# KiCad board SNES_SA1_1-0.kicad_pcb (continued)
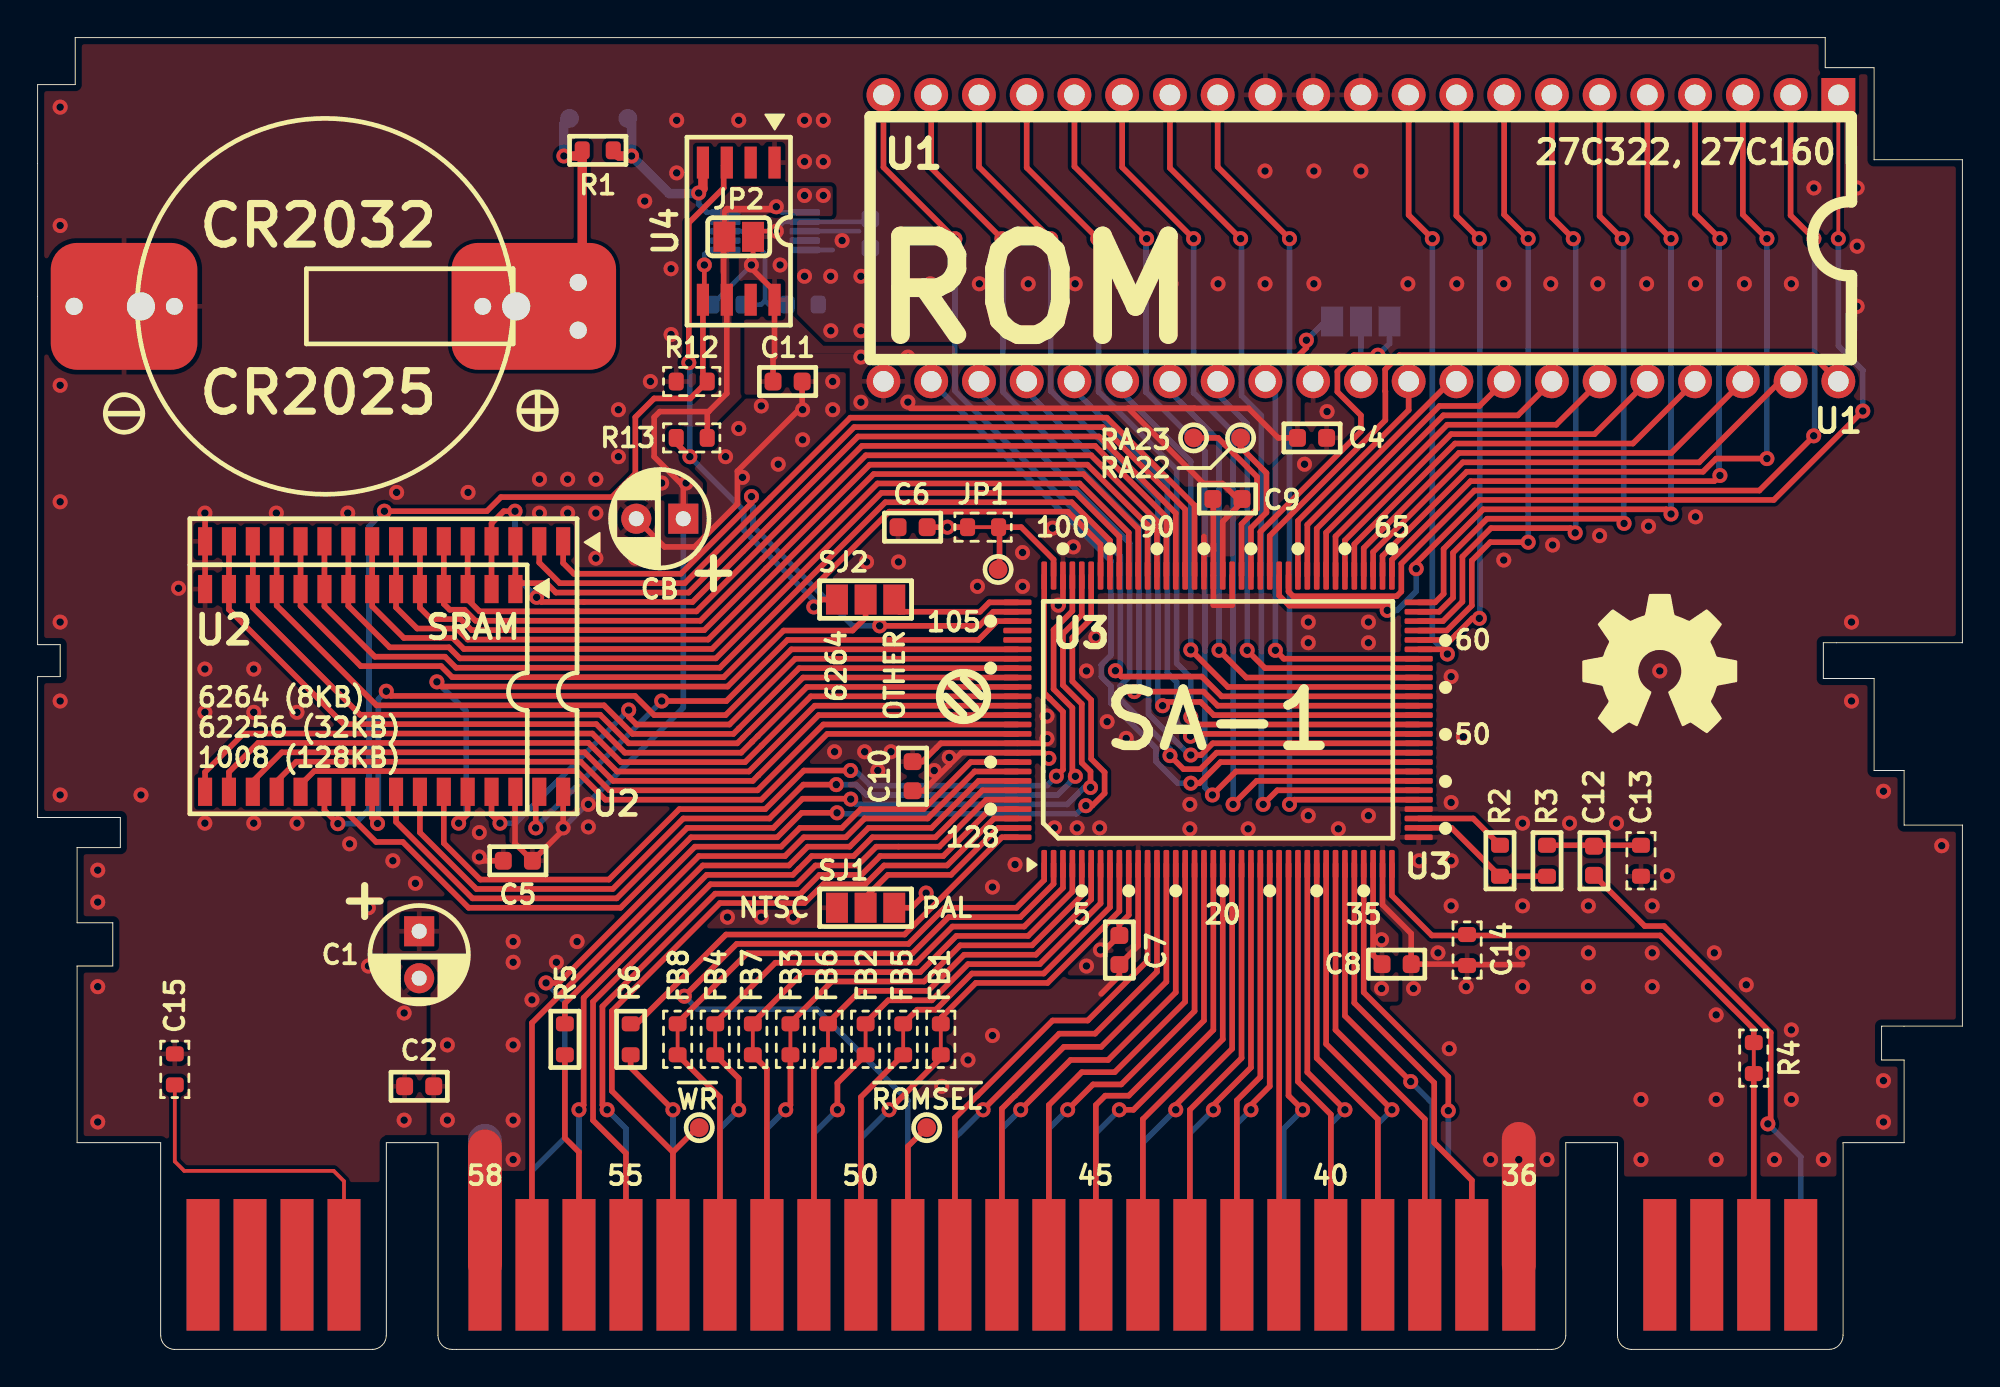
[diagram p0: board, top side]
## Routing (per net, layer and track width the routed paths; a pad name or vN(x,y) marks a point on that pad's centre or on a via; arc(x,y) is an arc through that point)
+5V: length 95.1
  Top w0.25: v1(39.3,59.5) 38.06,59.5 38.06,57.79 v1(37.98,57.7) ; v1(56.55,21.25) 56.78,21.25
  Top w0.3: 61.55,50.08 58.02,50.08 62.02,46.08 63.02,46.08 63.85,45.25 C9.1 64.08,45.08 63.05,44.05 U3.83 ; 61.55,50.08 64.42,50.08 66,48.5 C4.1 ; 61.55,50.08 46.43,50.08 ; U3.36 71.05,20.97 C8.1 ; v1(37.98,57.7) 37.98,57.53 39.2,56.3 U4.8 39.2,52.81 39.12,52.72 C11.1 ; C6.1 49.42,43.75 ; v1(48.5,31.5) 48.5,31.1 ; 48.5,31.1 49.15,31.75 U3.119 53.5,31.75 v1(53.8,31.45) ; 48.5,31.1 47.12,29.72 C10.1 ; U3.10 58.05,23.11 57.55,22.61 C7.1 56.78,21.25 ; v1(47.27,24.28) 46.49,23.5 SJ1.3 ; 66.8,52.6 67.5,53.3 v1(67.5,53.7)
  Top w1.8: P1.27 23.8,10.8
  Bottom w0.25: v1(39.3,59.5) 39.3,59.6 39.7,60 U5.2 44.12,60 44.3,60.17 ; R9.1 37.98,57.69 v1(37.98,57.7)
  Bottom w0.3: v1(67.5,53.7) 68.5,54.7 SJ3.1
  Bottom w1.8: P1.27 23.8,11.1
  vias: v1(21.8,16.2) v1(21.8,12.2) v1(25.3,21.7) v1(25.3,20.6) v1(25.3,16.2) v1(25.3,12.2) v1(25.3,10.1) v1(26.3,18.6) v1(27.6,20.6) v1(28.7,21.7) v1(39.5,57.7) v1(43.8,52.8) v1(43.8,50.4) v1(46.3,52.8) v1(46.3,50.41) v1(47.7,30.8) v1(48.4,43.75) v1(55.8,20.4) v1(71.5,21.8) v1(71.5,19.2)
GND: length 77.8
  Top w0.3: U3.11 58.55,21.47 C7.2 57.55,19.89 56.58,18.92 ; C5.2 23.7,26 v1(23.5,26.2) ; U3.37 71.55,23.65 73.08,22.12 C8.2 76.02,20.5 76.05,20.47 78.98,20.47 79,20.5 ; C10.2 47.08,31.28 48.05,32.25 U3.118 53.45,32.25 v1(53.7,32.5) ; U3.100 54.55,39.6 v1(54.3,39.6) ; CB.2 33.35,42.7 34.95,42.7 37.23,44.98 37.23,46.73 40.67,50.17 C11.2 ; v1(8.9,44.5) 8.91,44.49 U2.16 U2.16 ; U3.85 62.05,43.25 ; U3.82 63.55,39.6 62.55,39.6 U3.84 62.55,42.5 ; 62.55,42.5 62.55,42.85 ; 62.55,42.5 62.55,45.25
  Top w1.8: P1.5 78.8,11.2
  Bottom w0.25: U5.3 43.7,59.5 ; 42.3,58.5 U5.5
  Bottom w1.8: P1.5 78.8,11.2
  vias: v1(1.2,66.1) v1(1.2,59.8) v1(1.2,51.3) v1(1.2,45.1) v1(1.2,38.7) v1(1.2,34.5) v1(1.2,29.5) v1(3.2,25.5) v1(3.2,23.8) v1(3.2,19.3) v1(3.2,12.1) v1(5.5,29.5) v1(7.5,40.5) v1(8.9,36.2) v1(8.9,33.9) v1(8.9,28) v1(11.5,36.2) v1(11.5,33.9) v1(11.5,28) v1(12.7,44.5) v1(13.8,33.9) v1(13.8,28) v1(16.5,44.5) v1(16.6,26.9) v1(17.6,23.5) v1(17.6,20.4) v1(18.9,26) v1(19.1,45.6) v1(19.5,17.9) v1(19.5,12.2) v1(20.1,24.8) v1(22.9,45.6) v1(23.5,27.5) v1(26.7,46.3) v1(26.7,44.5) v1(28.2,46.3) v1(28.2,44.5) v1(29.7,46.3) v1(29.7,44.5) v1(29.7,42.1) v1(30.9,50) v1(30.9,47.5) v1(31.8,42.1) v1(32.3,61.1) v1(32.6,51.5) v1(33.7,57.5) v1(33.7,54) v1(34,65.4) v1(34,62.6) v1(36.6,47.5) v1(36.7,23) v1(37.3,65.4) v1(37.3,49) v1(37.5,46.4) v1(38.5,50.2) v1(38.5,23) v1(39.4,47.1) v1(40.2,23) v1(40.7,50) v1(40.7,48.4) v1(40.8,65.4) v1(40.8,63.2) v1(40.8,57.1) v1(41.8,65.4) v1(41.8,63.2) v1(42.19,57.1) v1(42.2,54.2) v1(42.3,51.5) v1(42.3,50) v1(42.4,31.8) v1(42.8,59) v1(43.8,57.1) v1(43.8,54.2) v1(44,31.8) v1(44.1,41.9) v1(44.7,30.8) v1(45.4,31.8) v1(45.8,41.9) v1(47.5,56.7) v1(48.1,14) v1(49.5,15.4) v1(50,40.6) v1(50.1,56.7) v1(50.8,24.6) v1(50.8,16.7) v1(52,25.8) v1(52.4,42.4) v1(52.4,40.6) v1(52.7,56.7) v1(53.7,33.7) v1(54,43.7) v1(54.1,27.75) v1(55.1,42.7) v1(55.2,56.7) v1(55.3,27.75) v1(55.8,36.1) v1(56.3,37.9) v1(56.5,27.75) v1(56.9,33.4) v1(57.7,56.7) v1(57.91,32.51) v1(60.3,56.7) v1(61.3,29) v1(61.3,27.7) v1(62.8,56.7) v1(64.4,27.7) v1(65.3,62.7) v1(65.3,56.7) v1(67.4,47.1) v1(67.6,38.7) v1(67.6,37.6) v1(67.6,28.4) v1(67.9,62.7) v1(67.9,56.7) v1(68.6,49.9) v1(69.2,27.7) v1(70.4,62.7) v1(70.8,38.7) v1(70.8,37.6) v1(70.8,28.4) v1(72.9,56.7) v1(73.2,19.2) v1(73.5,26) v1(74.5,21.1) v1(75.1,16) v1(75.2,35.8) v1(75.2,29.1) v1(75.2,26) v1(75.2,23.6) v1(75.5,56.7) v1(75.85,32.6) v1(76,19.3) v1(77.3,10.1) v1(78,56.7) v1(78,42) v1(78.8,10.1) v1(79,28) v1(79,23.6) v1(79,21.1) v1(79,19.3) v1(80.3,10.1) v1(80.5,56.7) v1(80.6,42.8) v1(81.5,28) v1(82.5,23.6) v1(82.5,21.1) v1(82.5,19.3) v1(83,56.7) v1(83.1,43.3) v1(84,28) v1(85.3,13.3) v1(85.3,10.1) v1(85.6,56.7) v1(85.7,43.8) v1(85.9,23.6) v1(85.9,21.1) v1(85.9,19.3) v1(86.3,36.1) v1(86.7,25.2) v1(88.2,56.7) v1(88.2,44.3) v1(89.2,21.1) v1(89.3,17.8) v1(89.3,13.3) v1(89.3,10.1) v1(90.8,56.7) v1(90.9,19.4) v1(92.4,10.1) v1(93.3,56.7) v1(93.3,17) v1(93.3,13.3) v1(94.5,61.8) v1(95,10.1) v1(96.5,38.7) v1(96.5,34.5) v1(96.8,61.8) v1(96.8,58.7) v1(96.8,55.5) v1(98.2,29.7) v1(98.2,14.3) v1(98.2,12.1) v1(101.3,26.8)
+BATT: length 11.6
  Top w0.25: 35.4,63.14 U4.4
  Top w0.5: R1.1 30.92,63.5 v1(31.6,63.5) ; U4.4 35.39,61.76 v1(35.17,61.53)
  Bottom w0.25: U5.10 35.6,60.5
  Bottom w0.3: 35.6,60.5 35.17,60.93 v1(35.17,61.53)
  Bottom w0.5: 31.3,65.5 31.6,65.2 v1(31.6,63.5) 33.6,61.5 35.14,61.5 v1(35.17,61.53)
+VSW: length 53.9
  Top w0.25: 36.63,60.63 36.54,60.54 36.54,59.5 ; v1(39.3,60.8) 39.13,60.63
  Top w0.3: 35.7,49.9 33.1,49.9 32.8,49.6 32.8,47.5 34.35,45.95 34.35,44.35 34.5,44.2 34.5,44 ; 35.7,49.9 35.62,49.83 R13.2 ; 35.7,49.9 36.67,50.86 U4.6 36.5,56.02 36.5,59.46 36.54,59.5 ; U2.32 27.96,27.64 C5.1 25.4,26.92 25.4,29.65 U2.30
  Top w0.35: 39.13,60.63 39.08,60.68 36.68,60.68 36.63,60.63
  Bottom w0.25: v1(39.3,60.8) 39.6,60.5 U5.1
  Bottom w0.3: CB.1 34.35,34.14 v1(27.96,27.75)
  vias: v1(29.3,29) v1(29.3,27.8) v1(33.2,46.1) v1(34.5,46.1) v1(40.8,61.4) v1(41.8,61.4)
/A_{0}: length 26.9
  Top w0.3: v1(50.3,12.75) 54.35,16.8 56.26,16.8 59.55,20.09 U3.13
  Bottom w0.3: v1(50.3,12.75) 48.8,11.25 P1.17
/A_{1}: length 26.3
  Top w0.3: U3.15 60.55,19 56.95,15.4 54.95,15.4 v1(52.3,12.75)
  Bottom w0.3: v1(52.3,12.75) 51.3,11.75 P1.16
/A_{2}: length 25.4
  Top w0.3: v1(54.8,12.75) 56.15,14.1 57.65,14.1 61.55,18 U3.17
  Bottom w0.3: v1(54.8,12.75) 53.8,11.75 P1.15
/A_{3}: length 24.4
  Top w0.3: v1(57.55,12.75) 58.3,12.75 62.55,17 U3.19
  Bottom w0.3: v1(57.55,12.75) 56.3,11.5 P1.14
/A_{4}: length 23.3
  Top w0.3: v1(60.55,12.75) 60.55,13 63.55,16 U3.21
  Bottom w0.3: P1.13 58.8,11 v1(60.55,12.75)
/A_{5}: length 22.7
  Top w0.3: U3.23 64.55,15 62.55,13 v1(62.55,12.75)
  Bottom w0.3: P1.12 61.3,11.5 v1(62.55,12.75)
/A_{6}: length 22
  Top w0.3: U3.25 65.55,14 64.55,13 v1(64.55,12.75)
  Bottom w0.3: v1(64.55,12.75) 63.8,12 P1.11
/A_{7}: length 22
  Top w0.3: v1(67.3,12.75) 66.55,13.5 U3.27
  Bottom w0.3: P1.10 66.3,11.75 v1(67.3,12.75)
/A_{8}: length 22.5
  Top w0.3: v1(69.55,12.75) 67.55,14.75 U3.29
  Bottom w0.3: P1.9 68.8,12 v1(69.55,12.75)
/A_{9}: length 23.1
  Top w0.3: U3.31 68.55,16.25 v1(72.05,12.75)
  Bottom w0.3: v1(72.05,12.75) 71.3,12 P1.8
/A_{10}: length 23.4
  Top w0.3: v1(73.05,14.25) 69.55,17.75 U3.33
  Bottom w0.3: v1(73.05,14.25) 74.2,13.1 74.2,4.9 P1.7
/A_{11}: length 23.7
  Top w0.3: U3.35 70.55,19 75.05,14.5 v1(75.05,12.7)
  Bottom w0.3: P1.6 76.3,9 75.05,10.25 v1(75.05,12.7)
/A_{12}: length 23.9
  Top w0.3: U3.34 70.05,18.44 74.3,14.19 74.3,11 76.3,9 P1.37
/A_{13}: length 23.3
  Top w0.3: P1.38 73.8,12.25 69.05,17 U3.32
/A_{14}: length 22.7
  Top w0.3: U3.30 68.05,15.5 71.3,12.25 P1.39
/A_{15}: length 22
  Top w0.3: P1.40 68.8,12.5 67.05,14.25 U3.28
/AA_{0}: length 53.6
  Top w0.3: U3.96 56.55,42.83 54.81,44.58 45.31,44.58 36.5,35.77 22.05,35.77 21.47,36.36 17.19,36.36 13.99,39.56 U2.12 U2.12
/AA_{1}: length 53
  Top w0.3: U2.11 U2.11 15.26,39.54 17.94,36.86 21.67,36.86 22.26,36.27 36.29,36.27 45.1,45.08 55.02,45.08 57.05,43.04 U3.95
/AA_{2}: length 52.3
  Top w0.3: U3.94 57.55,43.25 55.23,45.58 44.89,45.58 36.09,36.77 22.47,36.77 21.88,37.36 18.73,37.36 16.53,39.56 U2.10 U2.10
/AA_{3}: length 51.7
  Top w0.3: U3.93 58.05,43.46 55.43,46.08 44.68,46.08 35.88,37.27 22.68,37.27 22.09,37.86 19.48,37.86 17.8,39.54 U2.9 U2.9
/AA_{4}: length 51
  Top w0.3: U2.8 U2.8 19.07,39.48 20.19,38.36 22.3,38.36 22.88,37.77 35.67,37.77 44.48,46.58 55.64,46.58 58.55,43.66 U3.92
/AA_{5}: length 50.4
  Top w0.3: U3.91 59.05,43.87 55.85,47.08 44.27,47.08 35.47,38.27 23.09,38.27 22.5,38.86 20.94,38.86 20.34,39.46 U2.7 U2.7
/AA_{6}: length 49.6
  Top w0.3: U3.90 59.55,44.08 56.05,47.58 44.06,47.58 35.26,38.77 23.3,38.77 22.71,39.36 21.92,39.36 21.61,39.67 U2.6 U2.6
/AA_{7}: length 48.9
  Top w0.3: U3.89 60.05,44.29 56.26,48.08 43.86,48.08 35.05,39.27 23.51,39.27 22.88,39.9 U2.5 U2.5
/AA_{8}: length 50.3
  Top w0.3: U3.102 53.55,34.93 54.55,33.93 54.55,30.85 v1(54.2,30.5) ; v1(43.25,30.8) 40.77,30.8 38.71,28.75 34.14,28.75 30.39,25 23.55,25 21.61,26.94 U2.27
  Bottom w0.3: v1(54.2,30.5) 53.7,30 44.31,30 43.5,30.8 v1(43.25,30.8)
/AA_{9}: length 52.8
  Top w0.3: v1(42.49,30.05) 40.74,30.05 38.94,28.25 34.35,28.25 30.6,24.5 23.34,24.5 20.34,27.5 U2.26 ; U3.99 55.05,39.29 54.05,38.29 54.05,35.14 55.05,34.14 55.05,30.65 v1(55.21,30.49)
  Bottom w0.3: v1(55.21,30.49) 54.95,30.23 54.95,30.19 54.26,29.5 44.1,29.5 43.55,30.05 v1(42.49,30.05)
/AA_{10}: length 58.8
  Top w0.3: v1(55.77,28.93) 56.11,28.93 56.76,29.59 56.76,30.71 56.05,31.42 56.05,34.55 55.05,35.55 55.05,37.88 56.05,38.88 U3.97 ; U2.23 16.53,28.48 18.01,27 19.43,27 22.93,23.5 31.01,23.5 34.76,27.25 39.35,27.25 40.65,28.55 v1(42.53,28.55)
  Bottom w0.3: v1(55.77,28.93) 55.71,28.93 55.27,28.5 42.58,28.5 v1(42.53,28.55)
/AA_{11}: length 55.2
  Top w0.3: v1(56.01,29.9) 56.01,30.75 55.55,31.22 55.55,34.34 54.55,35.34 54.55,38.08 55.55,39.08 U3.98 ; U2.25 19.07,28.07 23.14,24 30.81,24 34.56,27.75 39.14,27.75 40.69,29.3 43.24,29.3 v1(43.26,29.28)
  Bottom w0.3: v1(43.26,29.28) 43.54,29 54.78,29 55.68,29.9 v1(56.01,29.9)
/AA_{12}: length 52.8
  Top w0.3: v1(26.55,40.02) 26.8,39.77 34.84,39.77 43.65,48.58 56.47,48.58 60.55,44.49 U3.88 ; U2.4 U2.4 24.15,43.95 24.8,44.6 v1(25.4,44.6)
  Bottom w0.3: v1(26.55,40.02) 25.4,41.17 v1(25.4,44.6)
/AA_{13}: length 6.9
  Top w0.3: 45.57,39.5 45.82,39.25 50.14,39.25 50.64,39.75 U3.103
/AA_{14}: length 47.5
  Top w0.3: U3.87 61.05,44.7 56.67,49.08 43.44,49.08 34.64,40.27 27.57,40.27 27.07,40.77 25.73,40.77 U2.3 U2.3
/AA_{15}: length 32.2
  Top w0.3: U2.31 26.5,29.48 v1(26.5,27.75) ; v1(33.21,34.5) 36.64,34.5 39.89,37.75 50.05,37.75 51.05,38.75 U3.105
  Bottom w0.3: v1(33.21,34.5) 26.5,27.79 v1(26.5,27.75)
/AA_{16}: length 45.8
  Top w0.3: U2.2 26.69,41.86 27.78,40.77 34.43,40.77 43.23,49.58 56.88,49.58 61.55,44.91 U3.86
/AA_{17}: length 31.5
  Top w0.3: v1(44.8,38.5) 50.09,38.5 50.84,39.25 U3.104 ; v1(37.98,45.38) 37.98,45.03 34.22,41.27 28.53,41.27 27.96,41.84 U2.1
  Bottom w0.3: v1(44.8,38.5) 43.36,38.5 38.06,43.8 38.06,44.85 37.98,44.93 v1(37.98,45.38)
/AD_{0}: length 47.1
  Top w0.3: U2.13 U2.13 12.72,39.58 18.03,34.27 30.13,34.27 31.65,32.75 37.02,32.75 40.52,36.25 U3.110
/AD_{1}: length 48.6
  Top w0.3: U2.14 U2.14 11.45,39.47 17.16,33.77 29.93,33.77 31.45,32.25 37.22,32.25 40.72,35.75 U3.111
/AD_{2}: length 50.2
  Top w0.3: U3.112 40.93,35.25 37.43,31.75 31.24,31.75 29.72,33.27 16.28,33.27 10.18,39.37 U2.15 U2.15
/AD_{3}: length 47.2
  Top w0.3: U3.113 41.14,34.75 37.64,31.25 31.03,31.25 29.51,32.77 10.96,32.77 8.91,30.72 U2.17
/AD_{4}: length 45.7
  Top w0.3: U2.18 10.18,30.72 11.73,32.27 29.31,32.27 30.83,30.75 37.84,30.75 41.34,34.25 U3.114
/AD_{5}: length 43.9
  Top w0.3: U3.115 41.55,33.75 38.05,30.25 30.62,30.25 29.1,31.77 12.99,31.77 11.45,30.22 U2.19
/AD_{6}: length 42.5
  Top w0.3: U2.20 12.72,30.22 13.77,31.27 28.89,31.27 30.41,29.75 38.3,29.75 41.8,33.25 U3.116
/AD_{7}: length 40.9
  Top w0.3: U3.117 42.01,32.75 38.51,29.25 30.2,29.25 28.69,30.77 14.72,30.77 13.99,30.05 U2.21
/BA_{0}: length 21.4
  Top w0.3: P1.41 66.05,4.75 U3.26
/BA_{1}: length 21.8
  Top w0.3: U3.24 65.05,14.5 63.8,13.25 P1.42
/BA_{2}: length 22.5
  Top w0.3: P1.43 61.3,12.75 64.05,15.5 U3.22
/BA_{3}: length 23.1
  Top w0.3: P1.44 58.8,12.25 63.05,16.5 U3.20
/BA_{4}: length 24.4
  Top w0.3: P1.45 56.3,13 56.8,13.5 58.05,13.5 62.05,17.5 U3.18
/BA_{5}: length 25.4
  Top w0.3: P1.46 53.8,13 55.55,14.75 57.3,14.75 61.05,18.5 U3.16
/BA_{6}: length 26.1
  Top w0.3: P1.47 51.3,12.81 51.99,13.5 52,13.5 54.6,16.1 56.59,16.1 60.05,19.56 U3.14
/BA_{7}: length 26.7
  Top w0.3: U3.12 59.05,20.68 55.87,17.5 54,17.5 50,13.5 49.99,13.5 48.8,12.31 P1.48
/CIC0: length 40.7
  Top w0.3: v1(30.3,12.75) 30.05,13 30.05,18.25 36.05,24.25 40.59,24.25 41.59,25.25 43.83,25.25 44.83,26.25 48.18,26.25 50.68,28.75 U3.125
  Bottom w0.3: P1.24 31.3,11.75 v1(30.3,12.75)
/CIC1: length 41.8
  Top w0.3: U3.124 50.47,29.25 47.97,26.75 44.62,26.75 43.62,25.75 41.39,25.75 40.39,24.75 35.8,24.75 29.55,18.5 29.55,12.19 31.3,10.44 P1.55
/CIC2: length 42.2
  Top w0.3: 34.42,24.08 35.59,25.25 40.18,25.25 41.18,26.25 43.41,26.25 44.41,27.25 47.76,27.25 50.26,29.75 U3.123 ; 34.57,24.23 29.05,18.71 29.05,13 v1(28.8,12.75)
  Bottom w0.3: v1(28.8,12.75) P1.25
/CIC3: length 11.5
  Top w0.3: R5.2 28.05,11.25 28.8,10.5 P1.56
/D_{0}: length 14.6
  Top w0.3: 48.1,17.38 48.1,17.69 49.91,19.5 53.73,19.5 57.55,23.32 U3.9
/D_{1}: length 17.2
  Top w0.3: U3.7 56.55,23.73 53.32,20.5 49.5,20.5 47.57,18.57 45.25,18.57 44.05,17.38
/D_{2}: length 20
  Top w0.3: 40.05,17.38 42.25,19.57 47.16,19.57 49.09,21.5 52.9,21.5 55.55,24.15 U3.5
/D_{3}: length 22.7
  Top w0.3: 36.05,17.38 39.25,20.58 46.75,20.58 48.67,22.5 52.49,22.5 54.55,24.56 U3.3
/D_{4}: length 15.8
  Top w0.3: U3.8 57.05,23.53 53.52,20 49.71,20 47.78,18.07 46.8,18.07 46.1,17.38
/D_{5}: length 18.6
  Top w0.3: U3.6 56.05,23.94 53.11,21 49.29,21 47.37,19.07 43.75,19.07 42.05,17.38
/D_{6}: length 21.4
  Top w0.3: U3.4 55.05,24.35 52.7,22 48.88,22 46.95,20.07 40.75,20.07 38.05,17.38
/D_{7}: length 24.1
  Top w0.3: 34.05,17.38 37.75,21.08 46.54,21.08 48.46,23 52.28,23 54.05,24.77 U3.2
/MCLK: length 26.1
  Top w0.3: v1(92.05,12) 92.2,12.15 92.2,16.85 86.52,22.53 85.5,22.53 C12.2 82.75,25.17
  Bottom w0.3: P1.1 93.8,10.25 v1(92.05,12)
/RA_{1}: length 32.2
  Top w0.3: U3.59 74.75,37.25 v1(75,37) ; v1(74.2,59.1) 72.94,60.36 U1.10
  Bottom w0.3: v1(75,37) 74.2,37.8 v1(74.2,59.1)
/RA_{2}: length 32.1
  Top w0.3: U1.9 75.48,60.32 v1(76.7,59.1) ; U3.60 75.18,37.75 76.33,38.9 v1(76.7,38.9)
  Bottom w0.3: v1(76.7,59.1) 76.73,59.07 76.73,38.93 v1(76.7,38.9)
/RA_{3}: length 33.5
  Top w0.3: v1(79.3,42.95) 77.28,42.95 76.3,41.97 76.3,39.58 74.97,38.25 U3.61 ; U1.8 78.02,60.38 v1(79.3,59.1)
  Bottom w0.3: v1(79.3,42.95) v1(79.3,59.1)
/RA_{4}: length 35.7
  Top w0.3: v1(81.8,43.45) 81.55,43.7 77.32,43.7 75.8,42.18 75.8,39.79 74.76,38.75 U3.62 ; v1(81.7,59.1) 80.56,60.24 U1.7
  Bottom w0.3: v1(81.7,59.1) 81.83,58.97 81.83,43.48 v1(81.8,43.45)
/RA_{5}: length 38
  Top w0.3: v1(84.4,43.95) 84.4,44.2 77.11,44.2 75.3,42.39 75.3,39.99 74.56,39.25 U3.63 ; v1(84.3,59.1) 83.1,60.3 U1.6
  Bottom w0.3: v1(84.4,43.95) 84.38,43.97 84.38,59.02 v1(84.3,59.1)
/RA_{6}: length 39.8
  Top w0.3: U3.64 74.35,39.75 74.8,40.2 74.8,42.59 76.91,44.7 86.65,44.7 v1(86.9,44.45) ; v1(86.9,59.1) 85.64,60.36 U1.5
  Bottom w0.3: v1(86.9,59.1) v1(86.9,44.45)
/RA_{7}: length 41
  Top w0.3: U1.4 88.18,60.42 v1(89.5,59.1) ; v1(89.5,46.5) 89.2,46.2 76.24,46.2 72.05,42.01 U3.65
  Bottom w0.3: v1(89.5,59.1) 89.45,59.05 89.45,46.55 v1(89.5,46.5)
/RA_{8}: length 43.5
  Top w0.3: U1.3 90.72,60.38 v1(92,59.1) ; v1(92,47.4) 89.3,47.4 88.6,46.7 76.03,46.7 71.55,42.22 U3.66
  Bottom w0.3: v1(92,47.4) v1(92,59.1)
/RA_{9}: length 27.2
  Top w0.3: U1.41 92.7,51.51 88.39,47.2 75.82,47.2 71.05,42.43 U3.67
/RA_{10}: length 25.3
  Top w0.3: U3.68 70.55,42.64 75.61,47.7 86.91,47.7 U1.40
/RA_{11}: length 23.4
  Top w0.3: U3.69 70.05,42.84 75.41,48.2 84.87,48.2 U1.39
/RA_{12}: length 21.5
  Top w0.3: U3.70 69.55,43.05 75.2,48.7 82.83,48.7 U1.38
/RA_{13}: length 19.6
  Top w0.3: U3.71 69.05,43.26 74.99,49.2 80.79,49.2 U1.37
/RA_{14}: length 17.6
  Top w0.3: U3.72 68.55,43.46 74.79,49.7 78.75,49.7 U1.36
/RA_{15}: length 15.7
  Top w0.3: U3.73 68.05,43.67 74.58,50.2 76.71,50.2 U1.35
/RA_{16}: length 13.8
  Top w0.3: U3.74 67.55,43.88 75.18,51.51 U1.34
/RA_{17}: length 12.8
  Top w0.3: U3.75 67.05,44.09 72.94,49.98 U1.33
/RA_{18}: length 52
  Top w0.3: v1(94.49,48.61) 94.49,48.59 91.6,45.7 76.44,45.7 72.55,41.81 72.55,40.32 72.3,40.08 66.8,40.08 66.55,40.32 U3.76 ; v1(94.5,59.1) 93.26,60.34 U1.2
  Bottom w0.3: v1(94.49,48.61) 94.54,48.66 94.54,59.06 v1(94.5,59.1)
/RA_{19}: length 55.1
  Top w0.2: U1.1 v1(95.8,59.1)
  Top w0.3: U3.77 66.05,40.11 66.59,39.58 71.55,39.58 v1(71.8,39.33) ; v1(73.34,41.54) 73.34,41.84 76.7,45.2 92.37,45.2 v1(97.1,49.93)
  Bottom w0.3: v1(97.1,49.93) 97.1,52.1 95.8,53.4 v1(95.8,59.1) ; v1(73.34,41.54) 73.34,40.34 72.33,39.33 v1(71.8,39.33)
/RA_{20}: length 38.5
  Top w0.3: U3.78 65.55,43.29 71.7,49.44 71.7,50.98 71.69,50.99 71.69,52.14 72.45,52.9 94.41,52.9 U1.42
/RA_{21}: length 18.2
  Top w0.3: v1(71.3,52.9) 70.02,52.9 69.15,52.03 69.15,50.95 70.4,49.7 70.4,48.85 65.05,43.5 U3.79
  Bottom w0.3: v1(71.3,52.9) 71.92,53.52 71.92,54.6 71.82,54.7
/RA_{22}: length 8.2
  Top w0.3: U3.80 64.55,43.71 65.37,44.53 65.37,46.63 64,48.01 TP1.1
/RA_{23}: length 9.8
  Top w0.3: U3.81 64.05,43.91 64.87,44.74 64.87,46.42 63.65,47.65 63.65,47.65 63.15,48.15 63.15,48.15 62.8,48.5 TP2.1
/RD_{0}: length 22.3
  Top w0.3: v1(65.85,37.2) 66.3,36.75 U3.58
  Bottom w0.3: v1(65.85,37.2) 65.85,50.98 U1.30
/RD_{1}: length 26.6
  Top w0.3: v1(62.85,37.2) 64.3,35.75 U3.56
  Bottom w0.3: v1(62.85,37.2) 62.85,48.35 60.24,50.96 U1.28
/RD_{2}: length 33.6
  Top w0.3: U3.50 61.46,32.75 v1(61.33,32.63)
  Bottom w0.3: U1.26 55.16,51.04 60.1,46.1 60.1,36 60.6,35.5 60.6,33.34 61.31,32.63 v1(61.33,32.63)
/RD_{3}: length 38.4
  Top w0.3: v1(60.24,31.59) 60.96,30.88 61.85,30.88 62.72,31.75 U3.48
  Bottom w0.3: U1.24 50.08,50.92 58.1,42.9 58.1,35.81 57.6,35.31 57.6,34.59 60.24,31.95 v1(60.24,31.59)
/RD_{4}: length 52.7
  Top w0.3: U1.21 45,62.9 v1(48.8,59.1) ; v1(57.34,36.11) 57.65,35.8 61.94,35.8 62.99,34.75 U3.54
  Bottom w0.3: v1(57.34,36.11) 57.6,36.37 57.6,42.2 48.8,51 v1(48.8,59.1)
/RD_{5}: length 50.5
  Top w0.3: U1.19 50.08,62.92 v1(53.9,59.1) ; U3.52 62.57,33.75 61.87,34.45 60.05,34.45 v1(59.85,34.25)
  Bottom w0.3: v1(59.85,34.25) 59.6,34.5 59.6,45.3 53.9,51 v1(53.9,59.1)
/RD_{6}: length 51.8
  Top w0.3: v1(62.5,29.5) 63.75,30.75 U3.46 ; v1(59,59.1) 55.16,62.94 U1.17
  Bottom w0.3: v1(59,59.1) 58.96,59.06 58.96,50.94 62.1,47.8 62.1,29.9 v1(62.5,29.5)
/RD_{7}: length 48.4
  Top w0.3: U3.44 65.95,29.75 v1(65.2,29) ; U1.15 60.24,62.86 v1(64,59.1)
  Bottom w0.3: v1(64,59.1) 64.05,59.05 64.05,50.75 65.1,49.7 65.1,29.1 v1(65.2,29)
/RD_{8}: length 24.5
  Top w0.3: U3.57 65.3,36.25 v1(64.35,37.2)
  Bottom w0.3: v1(64.35,37.2) 64.35,49.25 62.78,50.82 U1.29
/RD_{9}: length 28.7
  Top w0.3: U3.55 63.32,35.25 v1(61.35,37.22)
  Bottom w0.3: U1.27 57.7,50.9 61.35,47.25 v1(61.35,37.22)
/RD_{10}: length 35.9
  Top w0.3: U3.49 62.52,32.25 61.89,31.63 v1(61.35,31.63)
  Bottom w0.3: v1(61.35,31.63) 61.27,31.63 59.1,33.8 59.1,44.5 52.62,50.98 U1.25
/RD_{11}: length 40.5
  Top w0.3: v1(61.35,30.13) 61.81,30.13 62.93,31.25 U3.47
  Bottom w0.3: U1.23 57.1,41.95 57.1,36.93 56.59,36.42 56.59,35.8 57.1,35.29 57.1,34.39 59.49,31.99 59.49,31.28 60.65,30.13 v1(61.35,30.13)
/RD_{12}: length 51.9
  Top w0.3: U1.20 47.54,62.86 v1(51.3,59.1) ; v1(58.35,35) 62.03,35 62.78,34.25 U3.53
  Bottom w0.3: v1(58.35,35) 58.6,35.25 58.6,43.7 51.36,50.94 51.36,59.04 v1(51.3,59.1)
/RD_{13}: length 49
  Top w0.3: v1(56.4,59.1) 52.62,62.88 U1.18 ; v1(61.35,33.65) 61.75,33.25 U3.51
  Bottom w0.3: v1(61.35,33.65) 61.35,35.75 60.6,36.5 60.6,46.8 56.44,50.96 56.44,59.06 v1(56.4,59.1)
/RD_{14}: length 50.6
  Top w0.3: U1.16 57.7,62.9 v1(61.5,59.1) ; U3.45 64.85,30.25 v1(63.6,29)
  Bottom w0.3: v1(61.5,59.1) 61.5,50.9 63.6,48.8 v1(63.6,29)
/RD_{15}: length 46.3
  Top w0.3: v1(66.6,59.1) 62.78,62.92 U1.14 ; U3.43 66.85,29.25 v1(66.6,29)
  Bottom w0.3: v1(66.6,29) v1(66.6,59.1)
/REFRESH: length 10.2
  Top w0.3: R4.2 P1.33
/SYSCLK: length 44.2
  Top w0.3: P1.57 26.3,17.37 35.18,26.25 39.76,26.25 40.76,27.25 43,27.25 44,28.25 47.35,28.25 49.85,30.75 U3.121
/~{IRQ}: length 45.5
  Top w0.3: U3.1 53.55,24.98 52.07,23.5 48.26,23.5 46.33,21.58 37.19,21.58 v1(34.41,18.79)
  Bottom w0.3: v1(34.41,18.79) 35.1,18.1 41.45,18.1 46.3,13.25 P1.18
/~{OE}_{RAM}: length 44.6
  Top w0.3: v1(18.08,27.98) 17.8,28.27 U2.24 ; v1(18.55,35.02) 18.8,34.77 31.78,34.77 32.8,33.75 36.6,33.75 40.1,37.25 U3.108
  Bottom w0.3: v1(18.55,35.02) 18.13,34.6 18.13,28.03 v1(18.08,27.98)
/~{RD}: length 12.1
  Top w0.3: v1(33.8,12.75) 31.55,15 R6.1
  Bottom w0.3: P1.23 v1(33.8,12.75)
/~{RESET}: length 46.1
  Top w0.3: U3.120 49.64,31.25 47.14,28.75 43.79,28.75 42.79,27.75 40.56,27.75 39.56,26.75 34.97,26.75 27.72,19.5 v1(27.05,19.5)
  Bottom w0.3: P1.26 26.3,9.5 28.05,11.25 28.05,18.5 v1(27.05,19.5)
/~{ROMSEL}: length 7.7
  Top w0.3: P1.49 46.3,10.8 TP7.1
/~{WE}_{RAM}: length 33.9
  Top w0.3: v1(31.45,34.02) 31.45,33.67 31.86,33.25 36.81,33.25 40.31,36.75 U3.109 ; U2.29 24.15,28.45 v1(24.6,28)
  Bottom w0.3: v1(24.6,28) 25.43,28 v1(31.45,34.02)
/~{WR}: length 42.6
  Top w0.3: TP6.1 35.1,11.8 33.8,10.5 ; 33.8,10.5 30.55,13.75 30.55,18 36.3,23.75 40.8,23.75 41.8,24.75 44.03,24.75 45.03,25.75 48.39,25.75 50.89,28.25 U3.126 ; 33.8,10.5 P1.54
Net-(B1-+): length 13.2
  Top w0.5: v1(28,63.5) 28.67,63.5 R1.2 28.97,56.98 B1.1 27.67,56.77 B1.1
  Bottom w0.5: v1(28,63.5) 28,65.2 TP3.1
Net-(C12-Pad1): length 5
  Top w0.3: R3.1 85.25,26.83 85.3,26.78
Net-(JP1-A): length 6.7
  Top w0.3: TP5.1 51.17,41.58 51.17,43.75 52.33,43.75 54.05,42.03 U3.101
Net-(P1-D0): length 12.8
  Top w0.3: v1(45.3,12.75) 48.05,15.5
  Bottom w0.3: P1.19 43.8,11.25 v1(45.3,12.75)
Net-(P1-D1): length 12.3
  Top w0.3: v1(42.55,12.75) 42.55,14.18 44,15.62 44.05,15.62
  Bottom w0.3: P1.20 41.3,11.5 v1(42.55,12.75)
Net-(P1-D2): length 11.6
  Top w0.3: v1(39.8,12.75) 40.05,13 40.05,15.62
  Bottom w0.3: P1.21 38.8,11.75 v1(39.8,12.75)
Net-(P1-D3): length 12.1
  Top w0.3: 36.05,15.62 36.1,15.62 37.3,14.43 v1(37.3,12.75)
  Bottom w0.3: v1(37.3,12.75) 36.3,11.75 P1.22
Net-(P1-D4): length 12.1
  Top w0.3: 46.05,15.62 46,15.62 43.8,13.43 P1.50
Net-(P1-D5): length 11.5
  Top w0.3: 42.05,15.62 42,15.62 41.3,14.93 P1.51
Net-(P1-D6): length 11.5
  Top w0.3: 38.05,15.62 38.1,15.62 38.8,14.93 P1.52
Net-(P1-D7): length 12.1
  Top w0.3: P1.53 36.3,13.43 34.1,15.62 34.05,15.62
Net-(P1-PA_{1}): length 18
  Top w0.2: C15.2 7.3,10 7.8,9.5 15.75,9.5 16.3,8.95 P1.59
Net-(SJ1-C): length 10.2
  Top w0.3: U3.127 51.09,27.75 48.59,25.25 45.24,25.25 44.05,24.06 SJ1.2
Net-(SJ2-A): length 30.3
  Top w0.3: U4.3 36.5,62.98 36.5,61.8 34.64,59.94 v1(34.64,52.5) ; 42.53,39.5 SJ2.1 41.69,39.9 v1(41.3,39.5) ; R13.1 33.97,48.22 v1(34.7,47.5)
  Bottom w0.3: v1(41.3,39.5) 41.3,39.86 37.56,43.59 37.56,44.64 v1(34.7,47.5) 34.7,52.44 v1(34.64,52.5)
Net-(SJ2-C): length 35.7
  Top w0.3: v1(22.4,28) 22.88,28.48 U2.28 ; 44.05,40 44.05,38.94 43.36,38.25 39.69,38.25 36.71,35.27 21.49,35.27 v1(21.24,35.52)
  Bottom w0.3: v1(22.4,28) 22.8,28.4 22.8,33.96 v1(21.24,35.52)
Net-(SJ3-C): length 3.2
  Bottom w0.3: U1.32 70.4,54.6 70.3,54.7
Net-(U2-~{CS}): length 50.1
  Top w0.25: v1(35.47,57.7) 35.47,55.92 U4.5
  Top w0.3: v1(15.97,27.97) 15.26,28.69 U2.22 ; U4.5 35.39,51.73 R12.1 34.72,50.6 32.8,50.6 31.8,49.6 31.8,46.6 30.55,45.35 24.65,45.35 23.9,44.6 v1(18.45,44.6)
  Bottom w0.25: U5.6 35.7,58.5 35.47,58.27 v1(35.47,57.7)
  Bottom w0.3: v1(15.97,27.97) 16.87,27.97 17.63,28.73 17.63,43.78 v1(18.45,44.6)
Net-(U3A-CIC3): length 30.1
  Top w0.3: R5.1 28.05,18.41 35.39,25.75 39.97,25.75 40.97,26.75 43.2,26.75 44.2,27.75 47.56,27.75 50.06,30.25 U3.122
Net-(U3A-CLK1): length 7.9
  Top w0.3: R3.2 R2.2 75.23,27.75 U3.40
Net-(U3A-CLK2): length 4.9
  Top w0.3: U3.41 76.37,28.25 R2.1
Net-(U3A-REFRESH): length 24.6
  Top w0.3: U3.38 72.05,24.15 74.17,22.03 86.32,22.03 91.3,17.04 R4.1
Net-(U3A-~{RD}): length 24.7
  Top w0.3: U3.128 51.3,27.25 46.12,22.08 36.62,22.08 31.88,17.32 R6.2
Net-(U5-SENSE): length 7.6
  Bottom w0.25: R9.2 38.49,55.59 38.7,55.8 ; 38.7,55.8 38.91,55.59 R10.1 ; 38.7,55.8 38.7,58.29 37.49,59.5 U5.8

## Copper pours and planes (outline as drawn; the poured copper is in the pictures)
+5V on Top: 72.4,22.1 72.4,18.5 71,18.5 70.5,19 70.5,25.6 71.2,25.6 71.2,23.3
+5V on Top: 22.9,1.1 22.9,11.4 20.9,11.4 20.9,20.7 18.6,20.7 18.6,23.9 22.5,23.9 22.9,23.5 31.5,23.5 31.5,23.2 27.8,19.5 27.8,19 26.3,17.4 26.3,9.5 24.7,9.5 24.7,1.1
+5V on Top: 54.3,19.9 56.9,19.9 56.9,21.1 57.8,21.1 57.8,21.9 58.2,22.3 57.6,22.7 56.8,22.7 54.5,20.2
+5V on Top: 37.6,50.8 39.6,50.8 39.6,52.2 48.8,52.2 48.8,53.4 41.8,53.4 40.2,55 40.2,60.3 37.3,60.3 37.3,54.6 37.6,54.6
+5V on Top: 39.6,52.2 43.2,52.2 43.2,49.7 56.9,49.7 60.7,45.9 62.9,45.9 62.9,42.2 64,42.2 64.9,44.8 64.9,46.4 66.3,47.8 67.2,47.8 67.2,53 39.6,53
+5V on Top: 48.25,32.1 50.25,32.1 50.25,31.6 49.7,31.6 47.1,28.85 46.05,28.85 46.05,30.8 46.95,30.8
+5V on Bottom: 38.7,57.2 38.7,60.2 44.7,60.2 44.7,59.8 40,59.8 40,57.2
+5V on Bottom: 43.2,53.4 43.2,49.9 47,46.1 47,30 60.8,30 59.5,31.2 59.5,31.9 50.5,31.9 49.3,33.1 49.3,49.2 46.9,51.5 46.9,53.4
+5V on Bottom: 24.7,1.8 24.7,9.5 26.3,9.5 28.1,11.3 28.1,18.5 27.7,18.9 27.3,19.4 34.4,19.4 34.4,18.7 34.7,18.5 72.4,18.5 72.4,22.3 62.1,22.3 60.4,24 60.4,30 57.2,30 57.2,24 55.5,22.3 48,22.3 48,25 46.6,25 46.6,22.3 23.6,22.3 22,23.9 18.6,23.9 18.6,20.7 20.9,20.7 20.9,11.4 22.9,11.4 22.9,1.8
GND on Top, Bottom: 99.3,11 96.1,9.2 76.2,9.2 75.1,10.2 73.9,11.4 18.5,11.4 18.5,8.9 2,8.9 2,23.4 -0.1,28.2 -0.1,69.8 95.1,69.8 102.4,66 102.4,17.2 99.3,15.4
+VSW on Top: 35.5,54.5 35.5,51.2 34.8,50.5 32.9,50.5 32,49.6 32,46.5 33.3,45.2 33.3,44 35.4,44 35.4,46.1 34.4,47.1 34.4,47.8 34.1,48.2 34.1,49.1 35.9,49.1 37.6,50.8 37.6,54.5 37.1,54.5 37.1,56.7 36.8,56.7 36.8,58.5 37.1,58.5 37.1,60.3 42.3,60.3 42.3,61.9 36.5,61.9 36.3,61.2 36.3,54.5
+VSW on Top: 25.1,27 25.9,26.2 25.9,25 30.4,25 34.2,28.8 34.2,29.3 30.2,29.3 28.7,30.8 25.1,30.8
+VSW on Bottom: 42.3,61.9 42.3,60.3 38.7,60.3 38.7,61.9
+VSW on Bottom: 34.8,47.4 32.6,47.4 32.6,45.3 33.7,45.3 33.7,35 27.3,28.6 27.3,26.8 29,26.8 36.3,34 36.3,45.8

## Text on the board
B.Mask: THIS SIDE FACES SNES FRONT | www.mousebitelabs.com | SNES-4SA8S-01C
B.Silkscreen: 27 | + | _ | 5 | 27C160 | 27C322 | 25 | 20 | 15 | 10 | PLEASE CREATE RESPONSIBLY | -
F.Mask: THIS SIDE FACES SNES BACK | v1.0 | SNES SA-1 CARTRIDGE PCB
F.Silkscreen: PAL | 6264 (8KB) / 62256 (32KB) / 1008 (128KB) | 58 | 36 | WR | ROMSEL | 105 | 128 | 100 | 5 | RA23 | RA22 | 90 | 20 | 35 | 65 | 60 | 50 | 55 | 45 | 40 | NTSC | 6264 | OTHER | 27C322, 27C160 | U1 | SRAM | U2 | U3 | CR2032 | CR2025 | + | - | SA-1 | ROM
